# KiCad board leafony-ap03-stm32.kicad_pcb (continued)
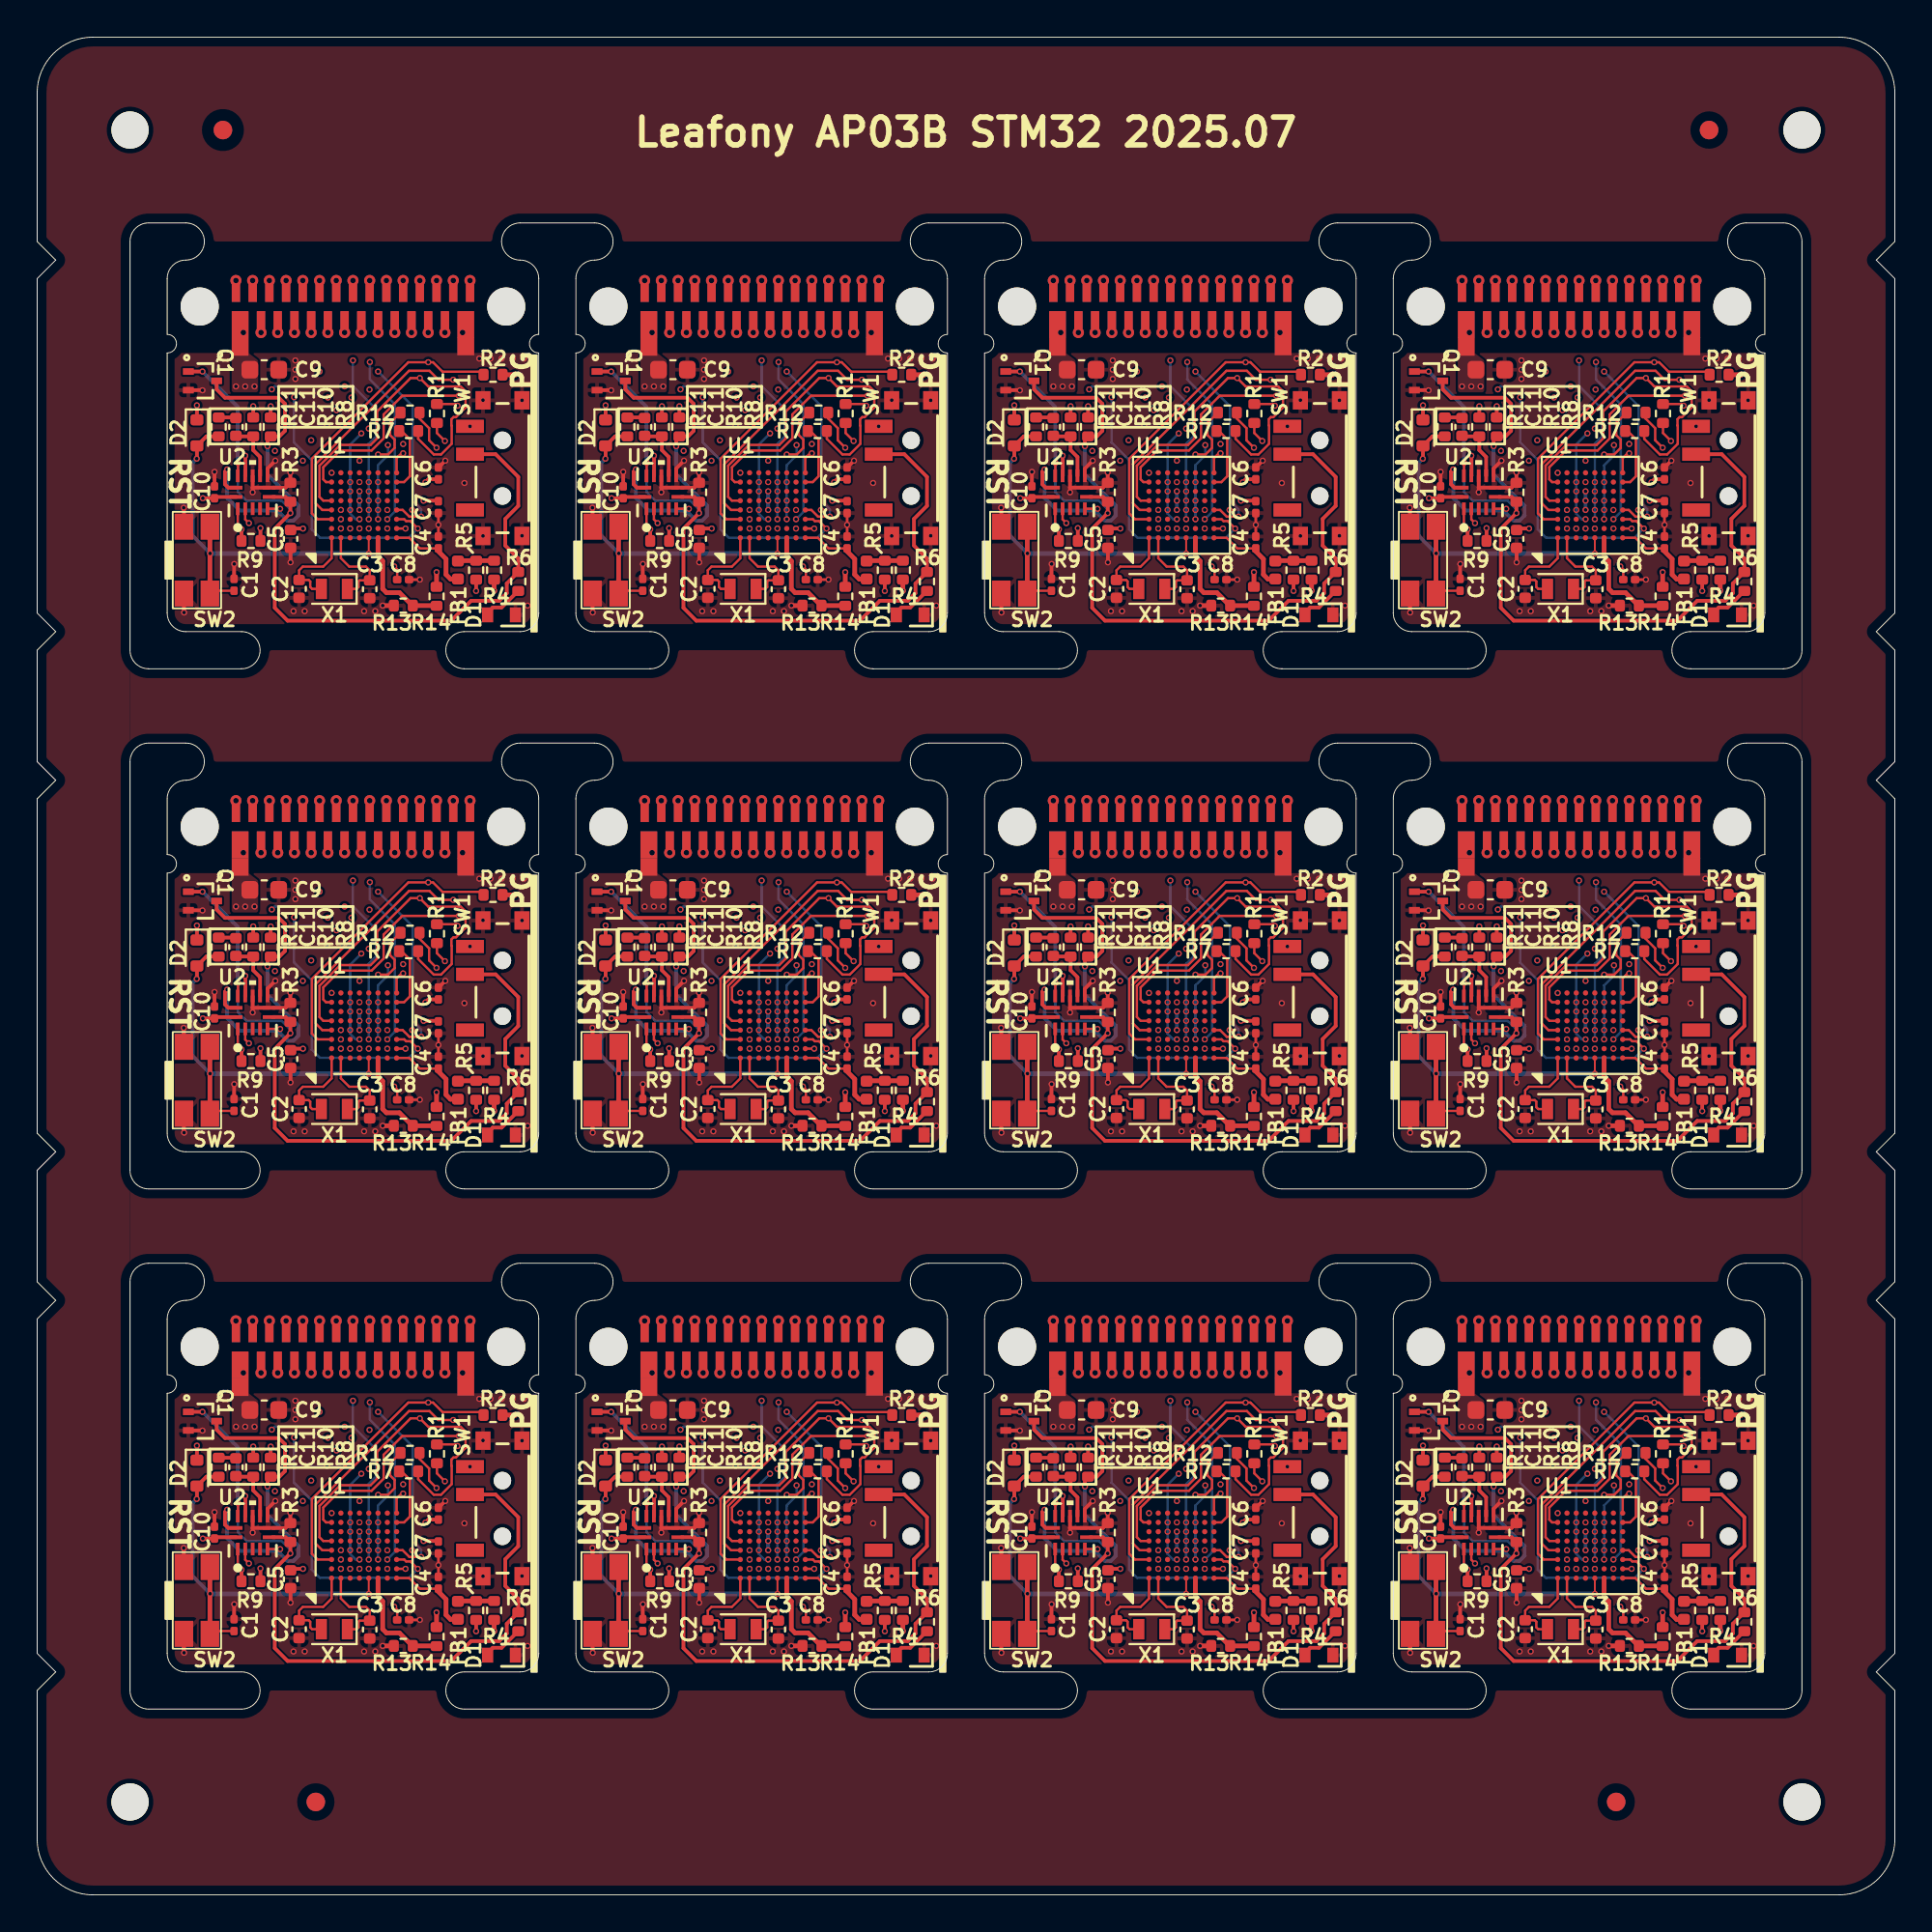
[diagram p0: board, top side]
## Routing (per net, layer and track width the routed paths; a pad name or vN(x,y) marks a point on that pad's centre or on a via; arc(x,y) is an arc through that point) (continued)
  In2.Cu w0.127: v2(61.89,53.03) 60.92,54 v2(59.2,54) ; v2(59.2,82) 60.92,82 v2(61.89,81.03) ; v2(15.2,82) 16.92,82 v2(17.89,81.03) ; v2(83.89,81.03) 82.92,82 v2(81.2,82) ; v2(81.2,54) 82.92,54 v2(83.89,53.03) ; v2(37.2,26) 38.92,26 v2(39.89,25.03) ; v2(39.89,53.03) 38.92,54 v2(37.2,54) ; v2(37.2,82) 38.92,82 v2(39.89,81.03) ; v2(17.89,25.03) 16.92,26 v2(15.2,26) ; v2(61.89,25.03) 60.92,26 v2(59.2,26) ; v2(17.89,53.03) 16.92,54 v2(15.2,54) ; v2(81.2,26) 82.92,26 v2(83.89,25.03)
  In3.Cu w0.254: v2(83.89,53.03) 85.22,51.7 87.3,51.7 88.4,50.6 88.4,44.1 v2(87.5,43.2) ; v2(21.5,15.2) 22.4,16.1 22.4,22.6 21.3,23.7 19.22,23.7 v2(17.89,25.03) ; v2(17.89,53.03) 19.22,51.7 21.3,51.7 22.4,50.6 22.4,44.1 v2(21.5,43.2) ; v2(39.89,25.03) 41.22,23.7 43.3,23.7 44.4,22.6 44.4,16.1 v2(43.5,15.2) ; v2(65.5,71.2) 66.4,72.1 66.4,78.6 65.3,79.7 63.22,79.7 v2(61.89,81.03) ; v2(21.5,71.2) 22.4,72.1 22.4,78.6 21.3,79.7 19.22,79.7 v2(17.89,81.03) ; v2(83.89,81.03) 85.22,79.7 87.3,79.7 88.4,78.6 88.4,72.1 v2(87.5,71.2) ; v2(39.89,53.03) 41.22,51.7 43.3,51.7 44.4,50.6 44.4,44.1 v2(43.5,43.2) ; v2(83.89,25.03) 85.22,23.7 87.3,23.7 88.4,22.6 88.4,16.1 v2(87.5,15.2) ; v2(61.89,25.03) 63.22,23.7 65.3,23.7 66.4,22.6 66.4,16.1 v2(65.5,15.2) ; v2(65.5,43.2) 66.4,44.1 66.4,50.6 65.3,51.7 63.22,51.7 v2(61.89,53.03) ; v2(43.5,71.2) 44.4,72.1 44.4,78.6 43.3,79.7 41.22,79.7 v2(39.89,81.03)
A4: length 225.5
  In1.Cu w0.127: v1(82.1,58.9) 82.11,58.89 v2(82.11,51.92) ; v2(60.11,23.92) 60.11,30.89 v1(60.1,30.9) ; v1(60.1,58.9) 60.11,58.89 v2(60.11,51.92) ; v1(82.1,30.9) 82.11,30.89 v2(82.11,23.92) ; v1(82.1,86.9) 82.11,86.89 v2(82.11,79.92) ; v2(38.11,79.92) 38.11,86.89 v1(38.1,86.9) ; v1(16.1,86.9) 16.11,86.89 v2(16.11,79.92) ; v1(38.1,58.9) 38.11,58.89 v2(38.11,51.92) ; v2(16.11,23.92) 16.11,30.89 v1(16.1,30.9) ; v2(38.11,23.92) 38.11,30.89 v1(38.1,30.9) ; v2(60.11,79.92) 60.11,86.89 v1(60.1,86.9) ; v1(16.1,58.9) 16.11,58.89 v2(16.11,51.92)
  In2.Cu w0.127: v2(83.85,73.55) 83.85,73.35 83.6,73.1 82.02,73.1 81.41,73.71 81.41,75.4 79.91,76.9 79.91,79.55 80.24,79.88 82.07,79.88 v2(82.11,79.92) ; v2(60.11,79.92) 60.07,79.88 58.24,79.88 57.91,79.55 57.91,76.9 59.41,75.4 59.41,73.71 60.02,73.1 61.6,73.1 61.85,73.35 v2(61.85,73.55) ; v2(82.11,23.92) 82.07,23.88 80.24,23.88 79.91,23.55 79.91,20.9 81.41,19.4 81.41,17.71 82.02,17.1 83.6,17.1 83.85,17.35 v2(83.85,17.55) ; v2(17.85,17.55) 17.85,17.35 17.6,17.1 16.02,17.1 15.41,17.71 15.41,19.4 13.91,20.9 13.91,23.55 14.24,23.88 16.07,23.88 v2(16.11,23.92) ; v2(83.85,45.55) 83.85,45.35 83.6,45.1 82.02,45.1 81.41,45.71 81.41,47.4 79.91,48.9 79.91,51.55 80.24,51.88 82.07,51.88 v2(82.11,51.92) ; v2(17.85,73.55) 17.85,73.35 17.6,73.1 16.02,73.1 15.41,73.71 15.41,75.4 13.91,76.9 13.91,79.55 14.24,79.88 16.07,79.88 v2(16.11,79.92) ; v2(61.85,45.55) 61.85,45.35 61.6,45.1 60.02,45.1 59.41,45.71 59.41,47.4 57.91,48.9 57.91,51.55 58.24,51.88 60.07,51.88 v2(60.11,51.92) ; v2(17.85,45.55) 17.85,45.35 17.6,45.1 16.02,45.1 15.41,45.71 15.41,47.4 13.91,48.9 13.91,51.55 14.24,51.88 16.07,51.88 v2(16.11,51.92) ; v2(39.85,73.55) 39.85,73.35 39.6,73.1 38.02,73.1 37.41,73.71 37.41,75.4 35.91,76.9 35.91,79.55 36.24,79.88 38.07,79.88 v2(38.11,79.92) ; v2(39.85,17.55) 39.85,17.35 39.6,17.1 38.02,17.1 37.41,17.71 37.41,19.4 35.91,20.9 35.91,23.55 36.24,23.88 38.07,23.88 v2(38.11,23.92) ; v2(60.11,23.92) 60.07,23.88 58.24,23.88 57.91,23.55 57.91,20.9 59.41,19.4 59.41,17.71 60.02,17.1 61.6,17.1 61.85,17.35 v2(61.85,17.55) ; v2(39.85,45.55) 39.85,45.35 39.6,45.1 38.02,45.1 37.41,45.71 37.41,47.4 35.91,48.9 35.91,51.55 36.24,51.88 38.07,51.88 v2(38.11,51.92)
A5: length 162.3
  In1.Cu w0.127: v1(17,86.9) v2(17,82.6) ; v1(17,30.9) v2(17,26.6) ; v1(83,86.9) v2(83,82.6) ; v1(17,58.9) v2(17,54.6) ; v1(39,58.9) v2(39,54.6) ; v1(61,58.9) v2(61,54.6) ; v1(39,30.9) v2(39,26.6) ; v1(83,58.9) v2(83,54.6) ; v1(61,30.9) v2(61,26.6) ; v1(61,86.9) v2(61,82.6) ; v1(83,30.9) v2(83,26.6) ; v1(39,86.9) v2(39,82.6)
  Bottom w0.127: v2(17.85,46.05) 17.85,50.12 18.24,50.51 18.24,51.98 17,53.22 v2(17,54.6) ; v2(17.85,18.05) 17.85,22.12 18.24,22.51 18.24,23.98 17,25.22 v2(17,26.6) ; v2(83,82.6) 83,81.22 84.24,79.98 84.24,78.51 83.85,78.12 v2(83.85,74.05) ; v2(83,54.6) 83,53.22 84.24,51.98 84.24,50.51 83.85,50.12 v2(83.85,46.05) ; v2(61.85,46.05) 61.85,50.12 62.24,50.51 62.24,51.98 61,53.22 v2(61,54.6) ; v2(61.85,74.05) 61.85,78.12 62.24,78.51 62.24,79.98 61,81.22 v2(61,82.6) ; v2(39.85,46.05) 39.85,50.12 40.24,50.51 40.24,51.98 39,53.22 v2(39,54.6) ; v2(61.85,18.05) 61.85,22.12 62.24,22.51 62.24,23.98 61,25.22 v2(61,26.6) ; v2(17,82.6) 17,81.22 18.24,79.98 18.24,78.51 17.85,78.12 v2(17.85,74.05) ; v2(83.85,18.05) 83.85,22.12 84.24,22.51 84.24,23.98 83,25.22 v2(83,26.6) ; v2(39.85,74.05) 39.85,78.12 40.24,78.51 40.24,79.98 39,81.22 v2(39,82.6) ; v2(39.85,18.05) 39.85,22.12 40.24,22.51 40.24,23.98 39,25.22 v2(39,26.6)
AREF: length 429.7
  Top w0.2: R5#5.2 v2(89.63,14.19) ; R5#3.2 v2(23.63,70.19) ; R5#6.2 v2(67.63,14.19) ; R5#2.2 v2(23.63,42.19) ; R5#7.2 v2(89.63,70.19) ; R5#10.2 v2(45.63,14.19) ; R5#8.2 v2(89.63,42.19) ; R5#9.2 v2(67.63,42.19) ; R5#4.2 v2(45.63,42.19) ; R5#11.2 v2(23.63,14.19) ; R5.2 v2(67.63,70.19) ; R5#12.2 v2(45.63,70.19)
  In3.Cu w0.254: v1(77.6,58.9) 77.6,58.17 73.99,54.56 73.99,47.36 74.38,46.97 74.38,41.9 75.61,40.67 88.37,40.67 89.63,41.93 v2(89.63,42.19) ; v1(33.6,30.9) 33.6,30.17 29.99,26.56 29.99,19.36 30.38,18.97 30.38,13.9 31.61,12.67 44.37,12.67 45.63,13.93 v2(45.63,14.19) ; v2(89.63,70.19) 89.63,69.93 88.37,68.67 75.61,68.67 74.38,69.9 74.38,74.97 73.99,75.36 73.99,82.56 77.6,86.17 v1(77.6,86.9) ; v1(55.6,58.9) 55.6,58.17 51.99,54.56 51.99,47.36 52.38,46.97 52.38,41.9 53.61,40.67 66.37,40.67 67.63,41.93 v2(67.63,42.19) ; v2(23.63,14.19) 23.63,13.93 22.37,12.67 9.61,12.67 8.38,13.9 8.38,18.97 7.99,19.36 7.99,26.56 11.6,30.17 v1(11.6,30.9) ; v1(33.6,58.9) 33.6,58.17 29.99,54.56 29.99,47.36 30.38,46.97 30.38,41.9 31.61,40.67 44.37,40.67 45.63,41.93 v2(45.63,42.19) ; v1(33.6,86.9) 33.6,86.17 29.99,82.56 29.99,75.36 30.38,74.97 30.38,69.9 31.61,68.67 44.37,68.67 45.63,69.93 v2(45.63,70.19) ; v2(67.63,14.19) 67.63,13.93 66.37,12.67 53.61,12.67 52.38,13.9 52.38,18.97 51.99,19.36 51.99,26.56 55.6,30.17 v1(55.6,30.9) ; v2(67.63,70.19) 67.63,69.93 66.37,68.67 53.61,68.67 52.38,69.9 52.38,74.97 51.99,75.36 51.99,82.56 55.6,86.17 v1(55.6,86.9) ; v1(11.6,86.9) 11.6,86.17 7.99,82.56 7.99,75.36 8.38,74.97 8.38,69.9 9.61,68.67 22.37,68.67 23.63,69.93 v2(23.63,70.19) ; v1(11.6,58.9) 11.6,58.17 7.99,54.56 7.99,47.36 8.38,46.97 8.38,41.9 9.61,40.67 22.37,40.67 23.63,41.93 v2(23.63,42.19) ; v1(77.6,30.9) 77.6,30.17 73.99,26.56 73.99,19.36 74.38,18.97 74.38,13.9 75.61,12.67 88.37,12.67 89.63,13.93 v2(89.63,14.19)
BOOT0: length 549.7
  Top w0.127: U2#7.12 32.81,20.39 v2(32.81,21.09) ; v2(10.81,21.09) 10.81,20.39 U2#9.12 ; v2(76.81,21.09) 76.81,20.39 U2#8.12 ; U2#4.12 54.81,76.4 v2(54.81,77.09) ; U2#10.12 76.81,76.4 v2(76.81,77.09) ; v2(10.81,49.09) 10.81,48.39 U2#12.12 ; v2(32.81,49.09) 32.81,48.39 U2#6.12 ; v2(32.81,77.09) 32.81,76.4 U2#3.12 ; U2#5.12 54.81,48.39 v2(54.81,49.09) ; U2.12 54.81,20.39 v2(54.81,21.09) ; v2(76.81,49.09) 76.81,48.39 U2#2.12 ; U2#11.12 10.81,76.4 v2(10.81,77.09)
  Top w0.2: Q1#7.1 v2(30.9,26) ; 12.68,75.25 13.37,75.25 R3#4.1 v2(13.63,74.38) 12.79,73.54 12.79,69.28 13.48,68.59 22.29,68.59 23.36,69.66 24.87,69.66 25.28,70.07 25.28,70.59 R6#11.1 25.9,71.93 25.2,72.63 25.2,74.07 25.9,74.77 25.9,76.33 24.68,77.55 SW1#4.2 ; 56.68,75.25 57.37,75.25 R3.1 v2(57.63,74.38) 56.79,73.54 56.79,69.28 57.48,68.59 66.29,68.59 67.36,69.66 68.87,69.66 69.28,70.07 69.28,70.59 R6#8.1 69.9,71.93 69.2,72.63 69.2,74.07 69.9,74.77 69.9,76.33 68.68,77.55 SW1#3.2 ; SW1#6.2 24.68,21.55 25.9,20.33 25.9,18.77 25.2,18.07 25.2,16.63 25.9,15.93 R6#7.1 25.28,14.59 25.28,14.07 24.87,13.66 23.36,13.66 22.29,12.59 13.48,12.59 12.79,13.28 12.79,17.54 v2(13.63,18.38) R3#10.1 13.37,19.25 12.68,19.25 ; 34.68,75.25 35.37,75.25 R3#9.1 v2(35.63,74.38) 34.79,73.54 34.79,69.28 35.48,68.59 44.29,68.59 45.36,69.66 46.87,69.66 47.28,70.07 47.28,70.59 R6#5.1 47.9,71.93 47.2,72.63 47.2,74.07 47.9,74.77 47.9,76.33 46.68,77.55 SW1#7.2 ; SW1#11.2 68.68,21.55 69.9,20.33 69.9,18.77 69.2,18.07 69.2,16.63 69.9,15.93 R6#9.1 69.28,14.59 69.28,14.07 68.87,13.66 67.36,13.66 66.29,12.59 57.48,12.59 56.79,13.28 56.79,17.54 v2(57.63,18.38) R3#8.1 57.37,19.25 56.68,19.25 ; 56.68,47.25 57.37,47.25 R3#5.1 v2(57.63,46.38) 56.79,45.54 56.79,41.28 57.48,40.59 66.29,40.59 67.36,41.66 68.87,41.66 69.28,42.07 69.28,42.59 R6.1 69.9,43.93 69.2,44.63 69.2,46.07 69.9,46.77 69.9,48.33 68.68,49.55 SW1.2 ; Q1#11.1 v2(74.9,26) ; 34.68,19.25 35.37,19.25 R3#7.1 v2(35.63,18.38) 34.79,17.54 34.79,13.28 35.48,12.59 44.29,12.59 45.36,13.66 46.87,13.66 47.28,14.07 47.28,14.59 R6#2.1 47.9,15.93 47.2,16.63 47.2,18.07 47.9,18.77 47.9,20.33 46.68,21.55 SW1#9.2 ; SW1#5.2 90.68,21.55 91.9,20.33 91.9,18.77 91.2,18.07 91.2,16.63 91.9,15.93 R6#12.1 91.28,14.59 91.28,14.07 90.87,13.66 89.36,13.66 88.29,12.59 79.48,12.59 78.79,13.28 78.79,17.54 v2(79.63,18.38) R3#12.1 79.37,19.25 78.68,19.25 ; Q1#6.1 v2(74.9,82) ; Q1.1 v2(52.9,54) ; Q1#8.1 v2(8.9,54) ; SW1#8.2 46.68,49.55 47.9,48.33 47.9,46.77 47.2,46.07 47.2,44.63 47.9,43.93 R6#3.1 47.28,42.59 47.28,42.07 46.87,41.66 45.36,41.66 44.29,40.59 35.48,40.59 34.79,41.28 34.79,45.54 v2(35.63,46.38) R3#6.1 35.37,47.25 34.68,47.25 ; SW1#10.2 24.68,49.55 25.9,48.33 25.9,46.77 25.2,46.07 25.2,44.63 25.9,43.93 R6#4.1 25.28,42.59 25.28,42.07 24.87,41.66 23.36,41.66 22.29,40.59 13.48,40.59 12.79,41.28 12.79,45.54 v2(13.63,46.38) R3#3.1 13.37,47.25 12.68,47.25 ; Q1#5.1 v2(52.9,26) ; Q1#4.1 v2(8.9,82) ; Q1#2.1 v2(52.9,82) ; 78.68,47.25 79.37,47.25 R3#11.1 v2(79.63,46.38) 78.79,45.54 78.79,41.28 79.48,40.59 88.29,40.59 89.36,41.66 90.87,41.66 91.28,42.07 91.28,42.59 R6#6.1 91.9,43.93 91.2,44.63 91.2,46.07 91.9,46.77 91.9,48.33 90.68,49.55 SW1#12.2 ; Q1#10.1 v2(30.9,54) ; Q1#12.1 v2(74.9,54) ; 78.68,75.25 79.37,75.25 R3#2.1 v2(79.63,74.38) 78.79,73.54 78.79,69.28 79.48,68.59 88.29,68.59 89.36,69.66 90.87,69.66 91.28,70.07 91.28,70.59 R6#10.1 91.9,71.93 91.2,72.63 91.2,74.07 91.9,74.77 91.9,76.33 90.68,77.55 SW1#2.2 ; Q1#3.1 v2(8.9,26) ; Q1#9.1 v2(30.9,82)
  In1.Cu w0.127: v2(60.35,74.55) 60.15,74.55 59.79,74.19 57.82,74.19 v2(57.63,74.38) ; v2(38.35,74.55) 38.15,74.55 37.79,74.19 35.82,74.19 v2(35.63,74.38) ; v2(82.35,74.55) 82.15,74.55 81.79,74.19 79.82,74.19 v2(79.63,74.38) ; v2(57.63,18.38) 57.82,18.19 59.79,18.19 60.15,18.55 v2(60.35,18.55) ; v2(35.63,46.38) 35.82,46.19 37.79,46.19 38.15,46.55 v2(38.35,46.55) ; v2(16.35,46.55) 16.15,46.55 15.79,46.19 13.82,46.19 v2(13.63,46.38) ; v2(16.35,74.55) 16.15,74.55 15.79,74.19 13.82,74.19 v2(13.63,74.38) ; v2(79.63,18.38) 79.82,18.19 81.79,18.19 82.15,18.55 v2(82.35,18.55) ; v2(60.35,46.55) 60.15,46.55 59.79,46.19 57.82,46.19 v2(57.63,46.38) ; v2(16.35,18.55) 16.15,18.55 15.79,18.19 13.82,18.19 v2(13.63,18.38) ; v2(82.35,46.55) 82.15,46.55 81.79,46.19 79.82,46.19 v2(79.63,46.38) ; v2(35.63,18.38) 35.82,18.19 37.79,18.19 38.15,18.55 v2(38.35,18.55)
  Bottom w0.127: v2(32.81,77.09) 32.81,75.51 33.28,75.04 35.16,75.04 35.63,74.57 v2(35.63,74.38) ; v2(76.81,49.09) 76.81,47.51 77.28,47.04 79.16,47.04 79.63,46.57 v2(79.63,46.38) ; v2(54.81,77.09) 54.81,75.51 55.28,75.04 57.16,75.04 57.63,74.57 v2(57.63,74.38) ; v2(13.63,46.38) 13.63,46.57 13.16,47.04 11.28,47.04 10.81,47.51 v2(10.81,49.09) ; v2(79.63,18.38) 79.63,18.57 79.16,19.04 77.28,19.04 76.81,19.51 v2(76.81,21.09) ; v2(54.81,49.09) 54.81,47.51 55.28,47.04 57.16,47.04 57.63,46.57 v2(57.63,46.38) ; v2(57.63,18.38) 57.63,18.57 57.16,19.04 55.28,19.04 54.81,19.51 v2(54.81,21.09) ; v2(35.63,18.38) 35.63,18.57 35.16,19.04 33.28,19.04 32.81,19.51 v2(32.81,21.09) ; v2(13.63,18.38) 13.63,18.57 13.16,19.04 11.28,19.04 10.81,19.51 v2(10.81,21.09) ; v2(76.81,77.09) 76.81,75.51 77.28,75.04 79.16,75.04 79.63,74.57 v2(79.63,74.38) ; v2(10.81,77.09) 10.81,75.51 11.28,75.04 13.16,75.04 13.63,74.57 v2(13.63,74.38) ; v2(35.63,46.38) 35.63,46.57 35.16,47.04 33.28,47.04 32.81,47.51 v2(32.81,49.09)
  Bottom w0.2: v2(54.81,77.09) 54.8,77.1 54.8,80.1 v2(52.9,82) ; v2(8.9,54) 10.8,52.1 10.8,49.1 v2(10.81,49.09) ; v2(30.9,82) 32.8,80.1 32.8,77.1 v2(32.81,77.09) ; v2(30.9,26) 32.8,24.1 32.8,21.1 v2(32.81,21.09) ; v2(74.9,82) 76.8,80.1 76.8,77.1 v2(76.81,77.09) ; v2(32.81,49.09) 32.8,49.1 32.8,52.1 v2(30.9,54) ; v2(76.81,21.09) 76.8,21.1 76.8,24.1 v2(74.9,26) ; v2(76.81,49.09) 76.8,49.1 76.8,52.1 v2(74.9,54) ; v2(54.81,21.09) 54.8,21.1 54.8,24.1 v2(52.9,26) ; v2(8.9,82) 10.8,80.1 10.8,77.1 v2(10.81,77.09) ; v2(8.9,26) 10.8,24.1 10.8,21.1 v2(10.81,21.09) ; v2(52.9,54) 54.8,52.1 54.8,49.1 v2(54.81,49.09)
D0: length 162.9
  In1.Cu w0.127: v2(39.91,54.51) 39.9,54.52 v1(39.9,58.9) ; v2(39.91,26.51) 39.9,26.52 v1(39.9,30.9) ; v1(83.9,58.9) 83.9,54.52 v2(83.91,54.51) ; v2(83.91,82.51) 83.9,82.52 v1(83.9,86.9) ; v1(17.9,30.9) 17.9,26.52 v2(17.91,26.51) ; v1(39.9,86.9) 39.9,82.52 v2(39.91,82.51) ; v1(83.9,30.9) 83.9,26.52 v2(83.91,26.51) ; v2(17.91,54.51) 17.9,54.52 v1(17.9,58.9) ; v2(61.91,54.51) 61.9,54.52 v1(61.9,58.9) ; v1(17.9,86.9) 17.9,82.52 v2(17.91,82.51) ; v2(61.91,26.51) 61.9,26.52 v1(61.9,30.9) ; v2(61.91,82.51) 61.9,82.52 v1(61.9,86.9)
  Bottom w0.127: v2(62.85,18.05) 63.25,18.45 63.25,24.24 61.91,25.58 v2(61.91,26.51) ; v2(17.91,82.51) 17.91,81.58 19.25,80.24 19.25,74.45 v2(18.85,74.05) ; v2(62.85,74.05) 63.25,74.45 63.25,80.24 61.91,81.58 v2(61.91,82.51) ; v2(83.91,82.51) 83.91,81.58 85.25,80.24 85.25,74.45 v2(84.85,74.05) ; v2(40.85,74.05) 41.25,74.45 41.25,80.24 39.91,81.58 v2(39.91,82.51) ; v2(17.91,26.51) 17.91,25.58 19.25,24.24 19.25,18.45 v2(18.85,18.05) ; v2(18.85,46.05) 19.25,46.45 19.25,52.24 17.91,53.58 v2(17.91,54.51) ; v2(40.85,18.05) 41.25,18.45 41.25,24.24 39.91,25.58 v2(39.91,26.51) ; v2(84.85,46.05) 85.25,46.45 85.25,52.24 83.91,53.58 v2(83.91,54.51) ; v2(40.85,46.05) 41.25,46.45 41.25,52.24 39.91,53.58 v2(39.91,54.51) ; v2(61.91,54.51) 61.91,53.58 63.25,52.24 63.25,46.45 v2(62.85,46.05) ; v2(84.85,18.05) 85.25,18.45 85.25,24.24 83.91,25.58 v2(83.91,26.51)
D1: length 157.2
  In1.Cu w0.127: v2(84.88,78.04) 84.8,78.12 v1(84.8,86.9) ; v1(62.8,30.9) 62.8,22.12 v2(62.88,22.04) ; v1(84.8,30.9) 84.8,22.12 v2(84.88,22.04) ; v2(40.88,22.04) 40.8,22.12 v1(40.8,30.9) ; v1(84.8,58.9) 84.8,50.12 v2(84.88,50.04) ; v2(62.88,50.04) 62.8,50.12 v1(62.8,58.9) ; v2(40.88,78.04) 40.8,78.12 v1(40.8,86.9) ; v2(62.88,78.04) 62.8,78.12 v1(62.8,86.9) ; v1(40.8,58.9) 40.8,50.12 v2(40.88,50.04) ; v2(18.88,22.04) 18.8,22.12 v1(18.8,30.9) ; v2(18.88,50.04) 18.8,50.12 v1(18.8,58.9) ; v1(18.8,86.9) 18.8,78.12 v2(18.88,78.04)
  Bottom w0.127: v2(62.88,78.04) 62.88,77.49 62.35,76.96 v2(62.35,74.05) ; v2(18.35,46.05) 18.35,48.96 18.88,49.49 v2(18.88,50.04) ; v2(84.35,46.05) 84.35,48.96 84.88,49.49 v2(84.88,50.04) ; v2(62.35,18.05) 62.35,20.96 62.88,21.49 v2(62.88,22.04) ; v2(62.88,50.04) 62.88,49.49 62.35,48.96 v2(62.35,46.05) ; v2(40.88,22.04) 40.88,21.49 40.35,20.96 v2(40.35,18.05) ; v2(40.88,78.04) 40.88,77.49 40.35,76.96 v2(40.35,74.05) ; v2(40.88,50.04) 40.88,49.49 40.35,48.96 v2(40.35,46.05) ; v2(18.35,18.05) 18.35,20.96 18.88,21.49 v2(18.88,22.04) ; v2(84.88,78.04) 84.88,77.49 84.35,76.96 v2(84.35,74.05) ; v2(18.35,74.05) 18.35,76.96 18.88,77.49 v2(18.88,78.04) ; v2(84.35,18.05) 84.35,20.96 84.88,21.49 v2(84.88,22.04)
D2: length 164.8
  In1.Cu w0.127: v1(85.7,30.9) 85.7,22.2 ; v3(17.85,48.05) v2(17.85,50.93) ; v3(83.85,76.05) v2(83.85,78.93) ; v3(17.85,20.05) v2(17.85,22.93) ; v1(63.7,58.9) 63.7,50.2 ; v2(83.85,22.93) v3(83.85,20.05) ; v2(83.85,50.93) v3(83.85,48.05) ; v2(17.85,78.93) v3(17.85,76.05) ; v2(39.85,50.93) v3(39.85,48.05) ; v1(85.7,86.9) 85.7,78.2 ; v2(39.85,78.93) v3(39.85,76.05) ; v1(41.7,58.9) 41.7,50.2 ; v1(19.7,30.9) 19.7,22.2 ; v2(61.85,50.93) v3(61.85,48.05) ; v2(61.85,22.93) v3(61.85,20.05) ; v1(19.7,86.9) 19.7,78.2 ; v1(41.7,86.9) 41.7,78.2 ; v1(63.7,86.9) 63.7,78.2 ; v2(39.85,22.93) v3(39.85,20.05) ; v1(63.7,30.9) 63.7,22.2 ; v1(19.7,58.9) 19.7,50.2 ; v3(61.85,76.05) v2(61.85,78.93) ; v1(41.7,30.9) 41.7,22.2 ; v1(85.7,58.9) 85.7,50.2
  In2.Cu w0.127: 19.7,78.2 18.97,78.93 v2(17.85,78.93) ; v2(83.85,78.93) 84.97,78.93 85.7,78.2 ; 85.7,50.2 84.97,50.93 v2(83.85,50.93) ; v2(61.85,50.93) 62.97,50.93 63.7,50.2 ; v2(61.85,78.93) 62.97,78.93 63.7,78.2 ; v2(61.85,22.93) 62.97,22.93 63.7,22.2 ; v2(39.85,78.93) 40.97,78.93 41.7,78.2 ; v2(17.85,22.93) 18.97,22.93 19.7,22.2 ; 41.7,22.2 40.97,22.93 v2(39.85,22.93) ; v2(17.85,50.93) 18.97,50.93 19.7,50.2 ; v2(39.85,50.93) 40.97,50.93 41.7,50.2 ; 85.7,22.2 84.97,22.93 v2(83.85,22.93)
  vias: v2(19.7,78.1) v2(19.7,50.1) v2(19.7,22.1) v2(41.7,78.1) v2(41.7,50.1) v2(41.7,22.1) v2(63.7,78.1) v2(63.7,50.1) v2(63.7,22.1) v2(85.7,78.1) v2(85.7,50.1) v2(85.7,22.1)
D3: length 296.1
  Top w0.127: U1#2.A5 81.4,47.05 81.2,47.25 81.2,48.93 82.31,50.05 83.95,50.05 84.3,50.4 84.3,51.85 86.1,53.65 v2(86.6,53.65) 87.05,53.2 88.8,53.2 89.06,52.94 89.06,52.06 88.55,51.55 88.41,51.55 88.3,51.43 88.3,51.1 88.31,51.09 88.31,50.11 87.74,49.54 87.35,49.54 86.51,50.38 R7#7.2 ; U1#3.A5 59.4,19.05 59.2,19.25 59.2,20.93 60.31,22.05 61.95,22.05 62.3,22.4 62.3,23.85 64.1,25.65 v2(64.6,25.65) 65.05,25.2 66.8,25.2 67.06,24.94 67.06,24.06 66.55,23.55 66.41,23.55 66.3,23.43 66.3,23.1 66.31,23.09 66.31,22.11 65.74,21.54 65.35,21.54 64.51,22.38 R7.2 ; U1#11.A5 15.4,19.05 15.2,19.25 15.2,20.93 16.31,22.05 17.95,22.05 18.3,22.4 18.3,23.85 20.1,25.65 v2(20.6,25.65) 21.05,25.2 22.8,25.2 23.06,24.94 23.06,24.06 22.55,23.55 22.41,23.55 22.3,23.43 22.3,23.1 22.31,23.09 22.31,22.11 21.74,21.54 21.35,21.54 20.51,22.38 R7#4.2 ; U1#9.A5 37.4,47.05 37.2,47.25 37.2,48.93 38.31,50.05 39.95,50.05 40.3,50.4 40.3,51.85 42.1,53.65 v2(42.6,53.65) 43.05,53.2 44.8,53.2 45.06,52.94 45.06,52.06 44.55,51.55 44.41,51.55 44.3,51.43 44.3,51.1 44.31,51.09 44.31,50.11 43.74,49.54 43.35,49.54 42.51,50.38 R7#6.2 ; R7#10.2 20.51,78.38 21.35,77.54 21.74,77.54 22.31,78.11 22.31,79.09 22.3,79.1 22.3,79.43 22.41,79.55 22.55,79.55 23.06,80.06 23.06,80.94 22.8,81.2 21.05,81.2 v2(20.6,81.65) 20.1,81.65 18.3,79.85 18.3,78.4 17.95,78.05 16.31,78.05 15.2,76.93 15.2,75.25 15.4,75.05 U1#7.A5 ; U1#10.A5 81.4,19.05 81.2,19.25 81.2,20.93 82.31,22.05 83.95,22.05 84.3,22.4 84.3,23.85 86.1,25.65 v2(86.6,25.65) 87.05,25.2 88.8,25.2 89.06,24.94 89.06,24.06 88.55,23.55 88.41,23.55 88.3,23.43 88.3,23.1 88.31,23.09 88.31,22.11 87.74,21.54 87.35,21.54 86.51,22.38 R7#11.2 ; U1#8.A5 15.4,47.05 15.2,47.25 15.2,48.93 16.31,50.05 17.95,50.05 18.3,50.4 18.3,51.85 20.1,53.65 v2(20.6,53.65) 21.05,53.2 22.8,53.2 23.06,52.94 23.06,52.06 22.55,51.55 22.41,51.55 22.3,51.43 22.3,51.1 22.31,51.09 22.31,50.11 21.74,49.54 21.35,49.54 20.51,50.38 R7#8.2 ; R7#5.2 42.51,22.38 43.35,21.54 43.74,21.54 44.31,22.11 44.31,23.09 44.3,23.1 44.3,23.43 44.41,23.55 44.55,23.55 45.06,24.06 45.06,24.94 44.8,25.2 43.05,25.2 v2(42.6,25.65) 42.1,25.65 40.3,23.85 40.3,22.4 39.95,22.05 38.31,22.05 37.2,20.93 37.2,19.25 37.4,19.05 U1.A5 ; R7#12.2 64.51,78.38 65.35,77.54 65.74,77.54 66.31,78.11 66.31,79.09 66.3,79.1 66.3,79.43 66.41,79.55 66.55,79.55 67.06,80.06 67.06,80.94 66.8,81.2 65.05,81.2 v2(64.6,81.65) 64.1,81.65 62.3,79.85 62.3,78.4 61.95,78.05 60.31,78.05 59.2,76.93 59.2,75.25 59.4,75.05 U1#5.A5 ; R7#3.2 42.51,78.38 43.35,77.54 43.74,77.54 44.31,78.11 44.31,79.09 44.3,79.1 44.3,79.43 44.41,79.55 44.55,79.55 45.06,80.06 45.06,80.94 44.8,81.2 43.05,81.2 v2(42.6,81.65) 42.1,81.65 40.3,79.85 40.3,78.4 39.95,78.05 38.31,78.05 37.2,76.93 37.2,75.25 37.4,75.05 U1#4.A5 ; R7#9.2 86.51,78.38 87.35,77.54 87.74,77.54 88.31,78.11 88.31,79.09 88.3,79.1 88.3,79.43 88.41,79.55 88.55,79.55 89.06,80.06 89.06,80.94 88.8,81.2 87.05,81.2 v2(86.6,81.65) 86.1,81.65 84.3,79.85 84.3,78.4 83.95,78.05 82.31,78.05 81.2,76.93 81.2,75.25 81.4,75.05 U1#12.A5 ; U1#6.A5 59.4,47.05 59.2,47.25 59.2,48.93 60.31,50.05 61.95,50.05 62.3,50.4 62.3,51.85 64.1,53.65 v2(64.6,53.65) 65.05,53.2 66.8,53.2 67.06,52.94 67.06,52.06 66.55,51.55 66.41,51.55 66.3,51.43 66.3,51.1 66.31,51.09 66.31,50.11 65.74,49.54 65.35,49.54 64.51,50.38 R7#2.2
  In1.Cu w0.127: v1(64.6,30.9) v2(64.6,25.65) ; v1(20.6,86.9) v2(20.6,81.65) ; v1(86.6,86.9) v2(86.6,81.65) ; v1(86.6,58.9) v2(86.6,53.65) ; v1(20.6,30.9) v2(20.6,25.65) ; v1(42.6,58.9) v2(42.6,53.65) ; v1(42.6,86.9) v2(42.6,81.65) ; v1(64.6,86.9) v2(64.6,81.65) ; v1(86.6,30.9) v2(86.6,25.65) ; v1(64.6,58.9) v2(64.6,53.65) ; v1(42.6,30.9) v2(42.6,25.65) ; v1(20.6,58.9) v2(20.6,53.65)
D4: length 219.4
  Top w0.127: R12#7.2 86.58,23.47 87.1,22.95 87.1,22.3 v2(87.5,21.9) ; R12#8.2 64.58,23.47 65.1,22.95 65.1,22.3 v2(65.5,21.9) ; R12#5.2 42.58,23.47 43.1,22.95 43.1,22.3 v2(43.5,21.9) ; R12#6.2 42.58,51.47 43.1,50.95 43.1,50.3 v2(43.5,49.9) ; R12#9.2 20.58,79.47 21.1,78.95 21.1,78.3 v2(21.5,77.9) ; R12.2 64.58,51.47 65.1,50.95 65.1,50.3 v2(65.5,49.9) ; R12#12.2 86.58,79.47 87.1,78.95 87.1,78.3 v2(87.5,77.9) ; R12#4.2 86.58,51.47 87.1,50.95 87.1,50.3 v2(87.5,49.9) ; v2(43.5,77.9) 43.1,78.3 43.1,78.95 42.58,79.47 R12#2.2 ; R12#11.2 20.58,23.47 21.1,22.95 21.1,22.3 v2(21.5,21.9) ; R12#10.2 20.58,51.47 21.1,50.95 21.1,50.3 v2(21.5,49.9) ; v2(65.5,77.9) 65.1,78.3 65.1,78.95 64.58,79.47 R12#3.2
  In1.Cu w0.127: v1(21.5,86.9) v2(21.5,77.9) ; v1(43.5,58.9) v2(43.5,49.9) ; v1(43.5,30.9) v2(43.5,21.9) ; v1(21.5,30.9) v2(21.5,21.9) ; v1(87.5,58.9) v2(87.5,49.9) ; v1(65.5,86.9) v2(65.5,77.9) ; v1(87.5,86.9) v2(87.5,77.9) ; v1(43.5,86.9) v2(43.5,77.9) ; v1(65.5,30.9) v2(65.5,21.9) ; v1(21.5,58.9) v2(21.5,49.9) ; v1(65.5,58.9) v2(65.5,49.9) ; v1(87.5,30.9) v2(87.5,21.9)
  In2.Cu w0.127: v4(16.85,18.55) 16.85,20.22 17.1,20.47 20.07,20.47 v2(21.5,21.9) ; v4(16.85,74.55) 16.85,76.22 17.1,76.47 20.07,76.47 v2(21.5,77.9) ; v4(16.85,46.55) 16.85,48.22 17.1,48.47 20.07,48.47 v2(21.5,49.9) ; v4(82.85,46.55) 82.85,48.22 83.1,48.47 86.07,48.47 v2(87.5,49.9) ; v2(87.5,77.9) 86.07,76.47 83.1,76.47 82.85,76.22 v4(82.85,74.55) ; v2(65.5,49.9) 64.07,48.47 61.1,48.47 60.85,48.22 v4(60.85,46.55) ; v4(38.85,18.55) 38.85,20.22 39.1,20.47 42.07,20.47 v2(43.5,21.9) ; v2(43.5,49.9) 42.07,48.47 39.1,48.47 38.85,48.22 v4(38.85,46.55) ; v2(43.5,77.9) 42.07,76.47 39.1,76.47 38.85,76.22 v4(38.85,74.55) ; v4(60.85,74.55) 60.85,76.22 61.1,76.47 64.07,76.47 v2(65.5,77.9) ; v4(82.85,18.55) 82.85,20.22 83.1,20.47 86.07,20.47 v2(87.5,21.9) ; v2(65.5,21.9) 64.07,20.47 61.1,20.47 60.85,20.22 v4(60.85,18.55)
D5: length 217.7
  Top w0.127: v2(66.4,81.56) 65.6,81.56 65.12,82.04 64.02,82.04 58.99,77.02 58.99,74.91 59.35,74.55 U1#5.A4 ; v2(22.4,81.56) 21.6,81.56 21.12,82.04 20.02,82.04 14.99,77.02 14.99,74.91 15.35,74.55 U1#7.A4 ; v2(66.4,53.56) 65.6,53.56 65.12,54.04 64.02,54.04 58.99,49.02 58.99,46.91 59.35,46.55 U1#6.A4 ; U1#3.A4 59.35,18.55 58.99,18.91 58.99,21.02 64.02,26.04 65.12,26.04 65.6,25.56 v2(66.4,25.56) ; U1#12.A4 81.35,74.55 80.99,74.91 80.99,77.02 86.02,82.04 87.12,82.04 87.6,81.56 v2(88.4,81.56) ; v2(44.4,53.56) 43.6,53.56 43.12,54.04 42.02,54.04 36.99,49.02 36.99,46.91 37.35,46.55 U1#9.A4 ; U1#8.A4 15.35,46.55 14.99,46.91 14.99,49.02 20.02,54.04 21.12,54.04 21.6,53.56 v2(22.4,53.56) ; v2(88.4,25.56) 87.6,25.56 87.12,26.04 86.02,26.04 80.99,21.02 80.99,18.91 81.35,18.55 U1#10.A4 ; U1.A4 37.35,18.55 36.99,18.91 36.99,21.02 42.02,26.04 43.12,26.04 43.6,25.56 v2(44.4,25.56) ; U1#11.A4 15.35,18.55 14.99,18.91 14.99,21.02 20.02,26.04 21.12,26.04 21.6,25.56 v2(22.4,25.56) ; v2(44.4,81.56) 43.6,81.56 43.12,82.04 42.02,82.04 36.99,77.02 36.99,74.91 37.35,74.55 U1#4.A4 ; U1#2.A4 81.35,46.55 80.99,46.91 80.99,49.02 86.02,54.04 87.12,54.04 87.6,53.56 v2(88.4,53.56)
  In1.Cu w0.127: v1(66.4,86.9) v2(66.4,81.56) ; v1(88.4,86.9) v2(88.4,81.56) ; v2(44.4,25.56) v1(44.4,30.9) ; v1(66.4,58.9) v2(66.4,53.56) ; v1(44.4,86.9) v2(44.4,81.56) ; v1(66.4,30.9) v2(66.4,25.56) ; v1(22.4,86.9) v2(22.4,81.56) ; v2(22.4,25.56) v1(22.4,30.9) ; v1(88.4,30.9) v2(88.4,25.56) ; v1(88.4,58.9) v2(88.4,53.56) ; v1(44.4,58.9) v2(44.4,53.56) ; v2(22.4,53.56) v1(22.4,58.9)
D6: length 135.4
  In1.Cu w0.127: v1(13.85,28.1) 13.85,27.24 14.3,26.79 v2(14.3,21.2) ; v3(83.35,20.05) v2(83.35,21.2) ; v3(17.35,76.05) v2(17.35,77.2) ; v2(36.3,49.2) 36.3,54.79 35.85,55.24 v1(35.85,56.1) ; v3(61.35,20.05) v2(61.35,21.2) ; v1(79.85,84.1) 79.85,83.24 80.3,82.79 v2(80.3,77.2) ; v1(13.85,56.1) 13.85,55.24 14.3,54.79 v2(14.3,49.2) ; v3(61.35,48.05) v2(61.35,49.2) ; v3(39.35,20.05) v2(39.35,21.2) ; v1(57.85,84.1) 57.85,83.24 58.3,82.79 v2(58.3,77.2) ; v3(39.35,48.05) v2(39.35,49.2) ; v3(61.35,76.05) v2(61.35,77.2) ; v3(39.35,76.05) v2(39.35,77.2) ; v1(35.85,84.1) 35.85,83.24 36.3,82.79 v2(36.3,77.2) ; v3(17.35,20.05) v2(17.35,21.2) ; v2(80.3,21.2) 80.3,26.79 79.85,27.24 v1(79.85,28.1) ; v3(83.35,76.05) v2(83.35,77.2) ; v3(17.35,48.05) v2(17.35,49.2) ; v1(79.85,56.1) 79.85,55.24 80.3,54.79 v2(80.3,49.2) ; v3(83.35,48.05) v2(83.35,49.2) ; v2(58.3,49.2) 58.3,54.79 57.85,55.24 v1(57.85,56.1) ; v2(14.3,77.2) 14.3,82.79 13.85,83.24 v1(13.85,84.1) ; v2(36.3,21.2) 36.3,26.79 35.85,27.24 v1(35.85,28.1) ; v2(58.3,21.2) 58.3,26.79 57.85,27.24 v1(57.85,28.1)
  In2.Cu w0.127: v2(80.3,49.2) v2(83.35,49.2) ; v2(17.35,21.2) v2(14.3,21.2) ; v2(61.35,49.2) v2(58.3,49.2) ; v2(39.35,77.2) v2(36.3,77.2) ; v2(36.3,21.2) v2(39.35,21.2) ; v2(36.3,49.2) v2(39.35,49.2) ; v2(17.35,49.2) v2(14.3,49.2) ; v2(61.35,21.2) v2(58.3,21.2) ; v2(14.3,77.2) v2(17.35,77.2) ; v2(80.3,77.2) v2(83.35,77.2) ; v2(80.3,21.2) v2(83.35,21.2) ; v2(61.35,77.2) v2(58.3,77.2)
